# Altium PCB 电源_1.PcbDoc
Units mm, origin at the board's own origin, x right, y up, seen from the top; angles counter-clockwise.
Board outline 152.4 x 101.6 mm, 2 copper layers (Top Layer, Bottom Layer); 23 components, 11 nets, 58 pads, 0 vias.
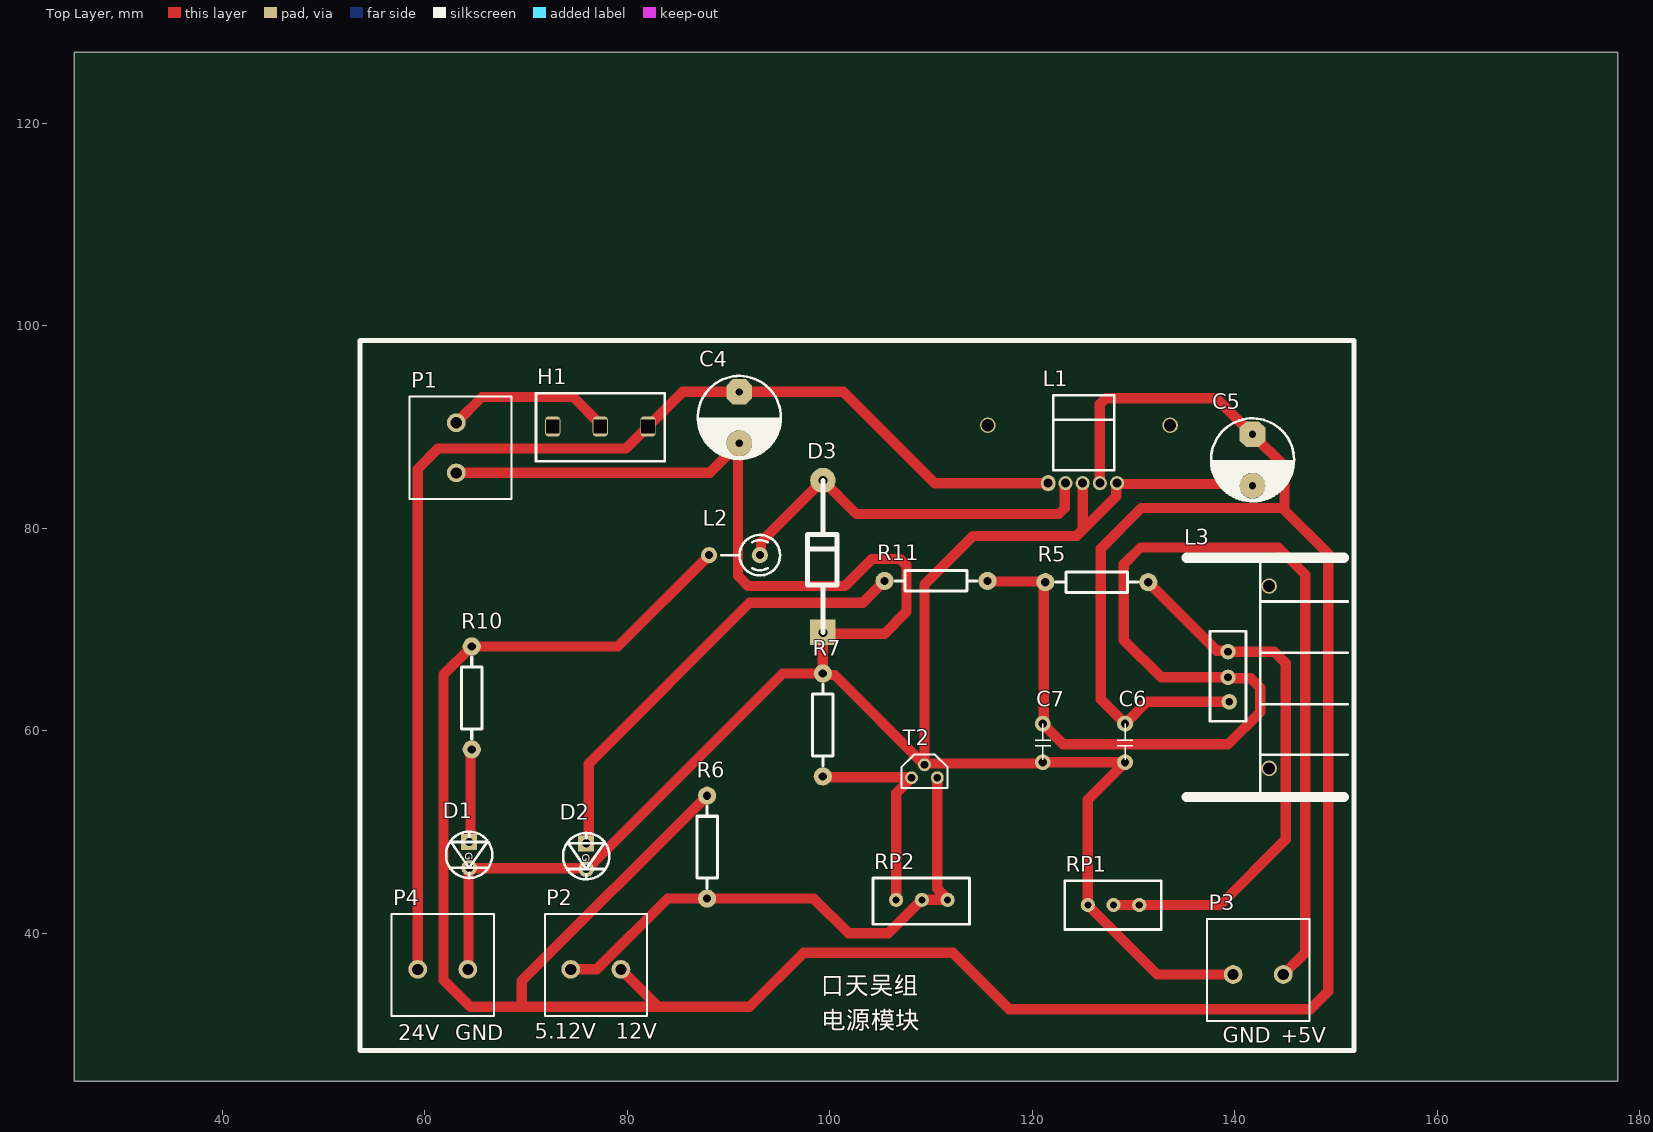
[diagram p0: Top Layer view]
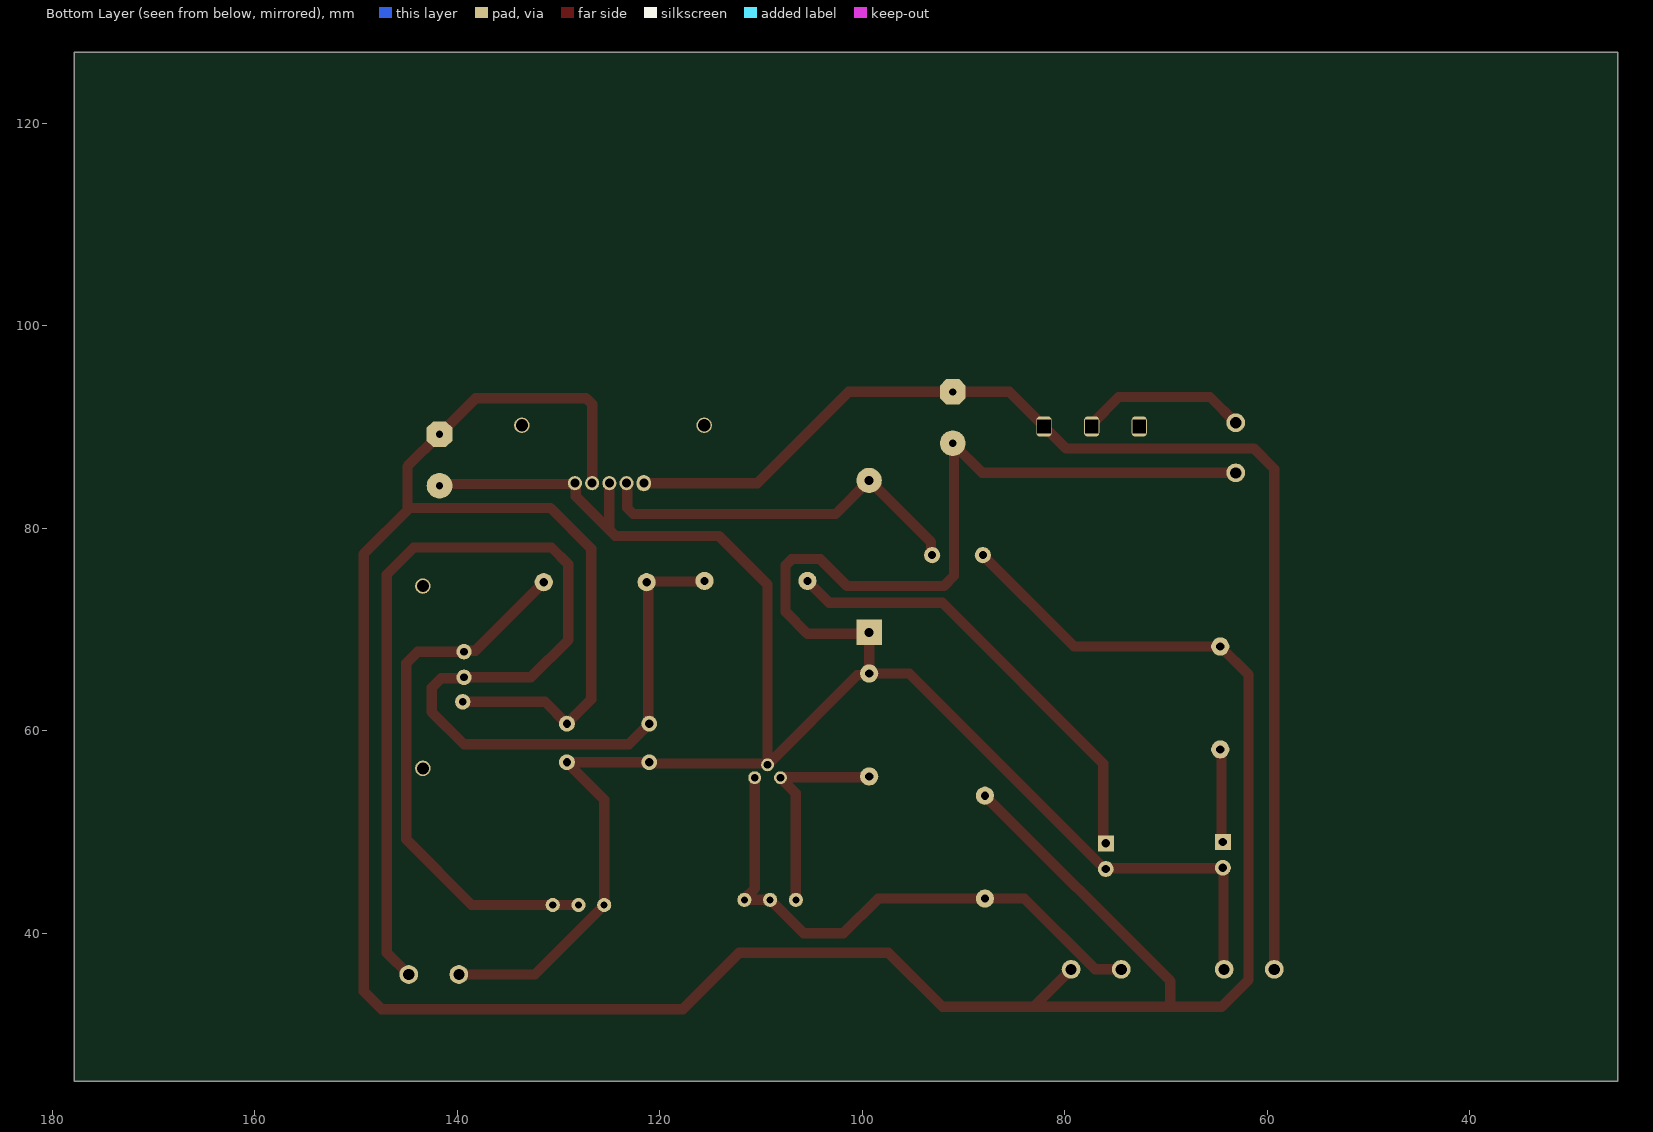
[diagram p1: Bottom Layer view, seen from below]
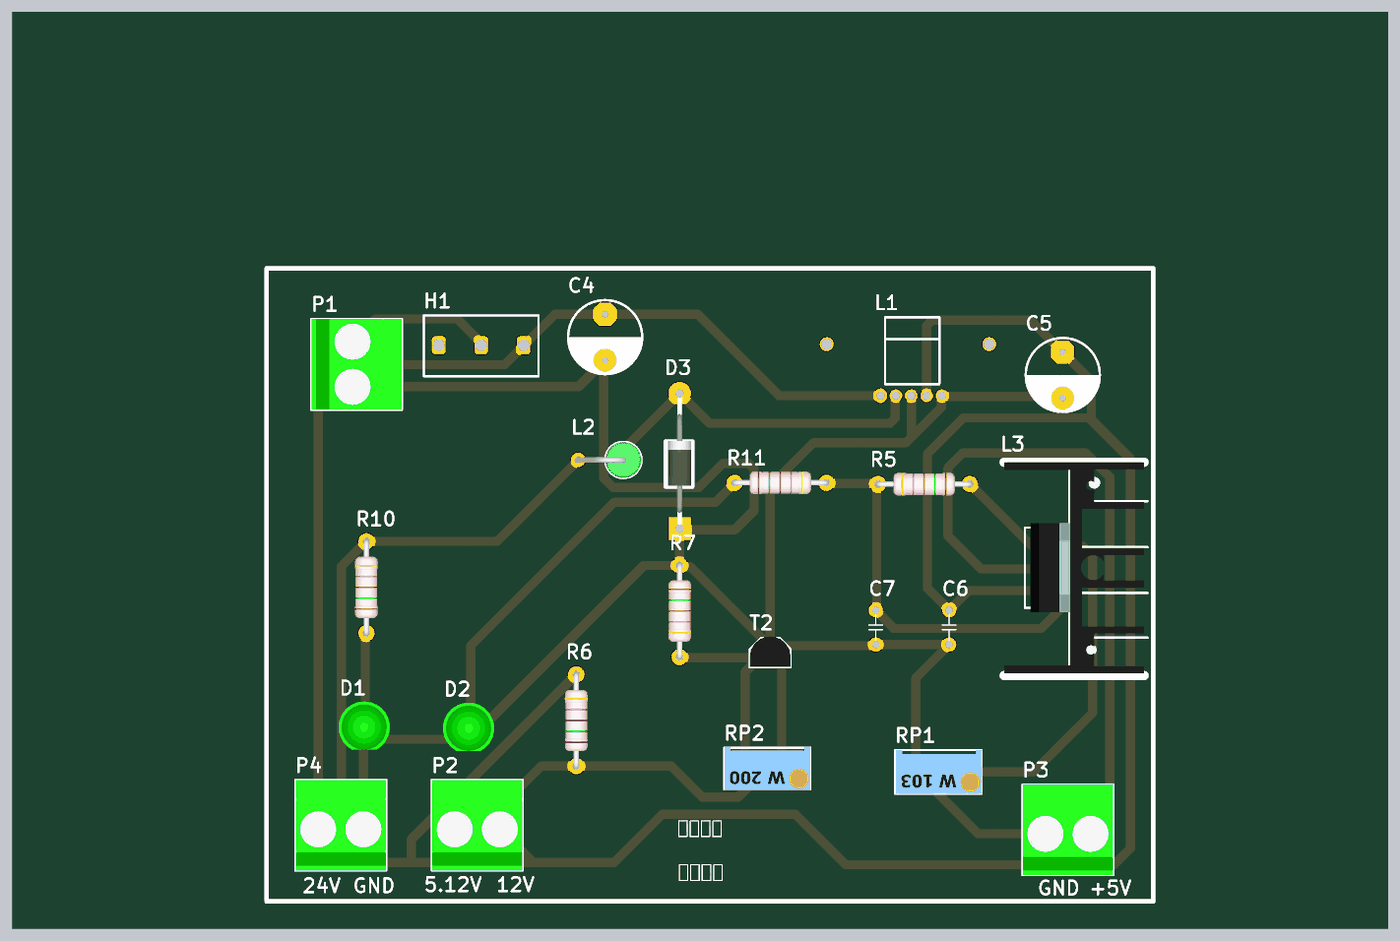
[diagram p2: 3D render of the assembled board from above, using the file's embedded part models]

## Layer stack, top to bottom
Top Solder: solder mask 0.0102, Solder Resist, Dk 3.5
Top Layer: signal copper 0.0356
Dielectric 1: dielectric 0.32, FR-4, Dk 4.8
Bottom Layer: signal copper 0.0356
Bottom Solder: solder mask 0.0102, Solder Resist, Dk 3.5

## Board outline
25.4,25.4 177.8,25.4 177.8,127 25.4,127

## Design rules (kind name [scope] priority, off if disabled: settings)
Clearance [All] p1: gap=0.254 ignorepadtopadclearanceinfootprint=FALSE except(0: Arc-Hole Track-Hole SMDPad-Hole THPad-Hole Via-Hole Fill-Hole Poly-Hole Region-Hole Text-Hole)
DiffPairsRouting [All] p1: maxlimit=0.254 minlimit=0.254 mostfreqgap=0.254 toplayer_minwidth=0.381 toplayer_maxwidth=1.27 toplayer_prefwidth=0.635 bottomlayer_minwidth=0.381 bottomlayer_maxwidth=1.27 bottomlayer_prefwidth=0.635 maxuncoupledlength=12.7
PolygonConnect [All] p1: connectstyle=Relief reliefconductorwidth=0.254 reliefentries=4 polygonreliefangle="90 Angle" airgapwidth=0.254
RoutingLayers [All] p1: top layer_v5=TRUE bottom layer_v5=FALSE
RoutingVias [All] p1: holewidth=0.711 width=1.27 viastyle="Through Hole" minholewidth=0.711 minwidth=1.27 maxholewidth=0.711 maxwidth=1.27
SolderMaskExpansion [All] p1: expansion=0.102 istentingtop=FALSE
Width [All] p1: maxlimit=1.016 minlimit=0.635 preferedwidth=1.016 minimp=50.000000 maximp=50.000000 favimp=50.000000
28 further rules are at their usual default settings.

## Classes and differential pairs
component class 电源: C4 C5 C6 C7 D1 D2 D3 L1 L2 L3 P3 R5 R6 R7 R10 R11 RP1 RP2 T2

## Components (designator, comment, footprint, x,y, rotation, side; value= is the part's Value field where it differs from the comment)
C4 "470μF" 电解电容_大 91.059,90.932 r0 top
C5 "220uF" 电解电容_大 141.732,86.741 r0 top
C6 "0.1μF" 电容_瓷片 129.159,58.801 r90 top
C7 "1μF" 电容_瓷片 121.031,58.801 r90 top
D1 "LED" LED_G 64.389,47.752 r270 top
D2 "LED" LED_G 75.946,47.625 r270 top
D3 "IN5824" 二极管_整流 102.362,76.073 r90 top
H1 "滑动开关" 滑动开关 77.216,89.789 r0 top
L1 "LM2596" LM2596 122.457,98.679 r0 top
L2 "47μH" AL0410_V 93.091,77.343 r180 top
L3 "LM317_Adj" 7805散热器 139.319,67.818 r270 top
P1 "电源端子2P" "端子 - duplicate" 63.119,90.424 r0 top
P2 "电源端子2P" "端子 - duplicate" 74.422,36.449 r90 top
P3 "电源端子2P" "端子 - duplicate" 139.827,35.941 r90 top
P4 "电源端子2P" "端子 - duplicate" 59.309,36.449 r90 top
R5 "200" 1/4WA1 121.285,74.676 r0 top value=10K
R6 "1k" 1/4WA1 87.884,53.594 r270 top value=10K
R7 "2k" 1/4WA1 99.314,55.499 r90 top value=10K
R10 "500" 1/4WA1 64.643,68.326 r270 top value=10K
R11 "200" 1/4WA1 115.57,74.803 r180 top value=10K
RP1 "1K" 3296-103 130.556,42.799 r180 top value=10K
RP2 "1k" 3296-200 111.633,43.307 r180 top value=10K
T2 "TL431" TL431 108.077,55.372 r0 top

## Footprints (in the part's own frame and the unit in brackets; to place one, negate y for a bottom-side part, rotate by r counter-clockwise, add the part's x,y. Pads: shape width x height; smd on the part's side, far side on the other; paste and mask are expansions set on the pad)
1/4WA1 [mm]
  round 1.8 hole 0.813: 1(0,0) 2(10.16,0)
  silkscreen extent 1.02,-1.02 9.14,1.02, body extent -0.27,-1.28 10.49,1.24, height 2
3296-103 [mm]
  round 1.4 hole 0.7: 1(0,0) 2(5.08,0) 3(2.54,0)
  silkscreen extent -2.16,-2.41 7.37,2.41, body extent -2.22,-2.41 7.3,2.41, height 11.73
3296-200 [mm]
  round 1.4 hole 0.7: 1(0,0) 2(5.08,0) 3(2.54,0)
  silkscreen extent -2.16,-2.16 7.37,2.41, body extent -2.17,-2.29 7.36,2.54, height 11.73
7805散热器 [mil]
  round 60 hole 30: 1(0,0) 2(100,0) 3(195,5)
  silkscreen extent -365,-160 565,465, body extent -366,-160 556,450, height 976
AL0410_V [mm] "5*4*10.5mm（脚距，直径，长度）"
  round 1.6 hole 0.8: 1(0,0) 2(5,0)
  silkscreen extent -2,-2 3.81,2, body extent -2.01,-2.01 5.32,2.01, height 12.39
LED_G [mil] "绿色发光二极管"
  rect 62x62 hole 32: 1(-50,0)
  round 62 hole 32: 2(50,0)
  silkscreen extent -90,-90 90,90, body extent -112,-112 98,112, height 339
LM2596 [mm]
  oval 1.4x1.6 hole 0.89: 1(-0.889,-14.224)
  round 1.4 hole 0.89: 2(0.811,-14.224) 3(2.511,-14.224) 4(4.211,-14.224) 5(5.911,-14.224)
  silkscreen extent -0.38,-12.95 5.62,-5.54
TL431 [mil] "7805/7809/LP2950电源芯片（已加焊）"
  round 50 hole 30: A(50,50) K(100,0) R(0,0)
  silkscreen extent -40,-40 140,90, body extent -39,-38 139,96, height 298
二极管_整流 [mm] "整流二极管"
  rect 2.5x2.5 hole 0.9: 1(-6.35,3.048)
  round 2.5 hole 0.9: 2(8.65,3.048)
  silkscreen extent -6.35,1.65 8.65,4.57, body extent -4.64,1.75 6.42,4.35, height 3.3
滑动开关 [mm] "SS12D10"
  rrect50% 1.5x2 hole 1.3 square: 1(0.127,0.254) 2(-4.573,0.254) 3(4.827,0.254)
  silkscreen extent -6.22,-3.17 6.48,3.55
电容_瓷片 [mil] "电容"
  round 62 hole 32: 1(-75,0) 2(75,0)
  silkscreen extent -65,-30 75,30
电解电容_大 [mm] "电解电容"
  oct 2.54x2.54 hole 0.7: 1(0,2.54)
  round 2.54 hole 0.7: 2(0,-2.54)
  silkscreen extent -4.08,-4.09 4.11,4.11
"端子 - duplicate" [mm] "2"
  round 1.85 hole 1.1: 1(0,0) 2(0,-4.953)
  silkscreen extent -4.6,-7.54 5.46,2.57, body extent -4.56,-7.49 5.44,2.51, height 14.45

## Part data
C4 C5: library part 电解电容_大, "电解电容"
C6 C7: library part 电容_瓷片, "瓷片电容"
D1 D2: "发光二极管", Package Description=DIODE0.4及DIODE0.7, Component Link1Description=元件数据连接1，一般是生产厂商的元件描述连接。, Component Link 1URL=元件厂商的网站连接1，通常是主页地址，如http://www.st.com/, Component Link 2URL=元件厂商的网站连接2，通常是元件数据说明文件地址，如http://www.fairchildsemi.com/ds/2N%2F2N3904.pdf, ComponentLink2  Description=元件数据连接2，一般是生产厂商的元件数据库连接。, Created=制造厂商, Datasheet Version=Apr-2016, Kind=General, Latest Revision Date=13-Apr-2016, Latest Revision Note=最近的应用笔记修订本, Object=Diode, Published=13-Apr-2016, Publisher="Altium Limited", Spice Prefix=D, SubKind=Diode, Type=Diode
D3: library part 二极管_整流, "整流二极管"
L2: library part Inductor4, Package Description=封装描述, Component Link1Description=元件数据连接1，一般是生产厂商的元件描述连接。, Component Link 1URL=元件厂商的网站连接1，通常是主页地址，如http://www.st.com/, Component Link 2URL=元件厂商的网站连接2，通常是元件数据说明文件地址，如http://www.fairchildsemi.com/ds/2N%2F2N3904.pdf, ComponentLink2  Description=元件数据连接2，一般是生产厂商的元件数据库连接。, Created=制造厂商, Datasheet Version=Apr-2016, Kind=General, Latest Revision Date=13-Apr-2016, Latest Revision Note=最近的应用笔记修订本, LatestRevisionDate=13-Apr-2016, LatestRevisionNote="Re-released for DXP Platform.", Object=Inductor, PackageReference=425, Published=13-Apr-2016, Publisher="Altium Limited", Spice Prefix=L, SubKind=Inductor
L3: library part LM317, "可调直流稳压芯片"
P1 P2 P3 P4: "电源端子", =电源端子2P
R5 R6 R7 R10 R11: library part Res_3, "1/4W电阻器", Package Description=AXIAL0.3-AXIA1.0, Package Reference=AXIAL, Component Link1Description=元件数据连接1，一般是生产厂商的元件描述连接。, Component Link 1URL=元件厂商的网站连接1，通常是主页地址，如http://www.st.com/, Component Link 2URL=元件厂商的网站连接2，通常是元件数据说明文件地址，如http://www.fairchildsemi.com/ds/2N%2F2N3904.pdf, ComponentLink2  Description=元件数据连接2，一般是生产厂商的元件数据库连接。, Created=制造厂商, Datasheet Version=Apr-2016, Kind=General, Latest Revision Date=13-Apr-2016, Latest Revision Note=最近的应用笔记修订本, LatestRevisionDate=13-Apr-2016, Object=Resistor, PackageVersion=Apr-2016, Published=13-Apr-2016, Publisher="Altium Limited", Spice Prefix=R, SubKind=Resistor, Type=Resistor
RP1 RP2: library part RESVR, "滑动触点电位器", Package Description=AXIAL0.3-AXIA1.0, Package Reference=AXIAL, Component Link1Description=元件数据连接1，一般是生产厂商的元件描述连接。, Component Link 1URL=元件厂商的网站连接1，通常是主页地址，如http://www.st.com/, Component Link 2URL=元件厂商的网站连接2，通常是元件数据说明文件地址，如http://www.fairchildsemi.com/ds/2N%2F2N3904.pdf, ComponentLink2  Description=元件数据连接2，一般是生产厂商的元件数据库连接。, Created=制造厂商, Datasheet Version=Apr-2016, Kind=General, Latest Revision Date=13-Apr-2016, Latest Revision Note=最近的应用笔记修订本, LatestRevisionDate=13-Apr-2016, Object=Resistor, PackageVersion=Apr-2016, Published=13-Apr-2016, Publisher="Altium Limited", Spice Prefix=R, SubKind=Resistor, Type=Resistor

## Free pads (board coordinates)
  round 1.524 hole 1.2: 3(115.604,90.17) 3(133.604,90.17) 3(143.383,74.295) 4(143.383,56.295)

## Nets (pads, with @x,y where several pads share a name; then routed paths per layer and width w, separated by ;. In a path a pad name is that pad's centre, name@x,y a point inside that pad or via, vN(x,y) a via of type N, cw(c..) or ccw(c..) an arc to the next point about the centre after c; other vN are vias at no path point)
+5.12v: P2.1 R6.2 RP2.1 RP2.3 T2.K | length 55.5
  Top Layer w1.016: P2.1@74.344,36.117 P2.1@74.422,36.195 ; P2.1 76.989,36.449 83.974,43.434 R6.2 98.425,43.434 101.854,40.005 105.791,40.005 RP2.3 RP2.1 111.633,43.411 110.617,44.427 T2.K
+5v: C7.2 L3.2 P3.2 R5.1 R11.1 | length 128.9
  Top Layer w1.016: R11.1 115.633,74.739 121.221,74.739 R5.1 121.138,74.529 121.138,60.813 C7.2 123.063,58.674 139.319,58.674 142.494,61.849 142.494,64.262 141.575,65.181 139.416,65.181 L3.2 132.715,65.278 129.032,68.961 129.032,76.454 130.683,78.105 144.272,78.105 146.939,75.438 146.939,40.767 146.939,38.1 P3.2
+12v: C5.1 C6.2 L1.4 L2.2 L3.3 P2.2 R6.1 R10.1 | length 320.5
  Top Layer w1.016: P2.2 83.058,32.766 ; R6.1 69.596,35.306 69.596,32.766 ; L2.2 79.074,68.326 R10.1 61.849,65.532 61.849,35.433 64.516,32.766 69.596,32.766 ; L1.4 126.668,92.242 127.263,92.837 138.176,92.837 C5.1 144.907,86.106 144.907,82.002 130.77,82.002 126.746,77.978 126.746,63.119 C6.2 131.318,62.865 L3.3 ; 144.8,81.895 149.225,77.47 149.225,34.29 147.447,32.512 117.729,32.512 112.141,38.1 97.409,38.1 92.075,32.766 83.058,32.766 ; 69.596,32.766 83.058,32.766
+24v: C4.1 H1.3 L1.1 P4.1 | length 118
  Top Layer w1.016: P4.1 59.309,85.852 61.341,87.884 79.884,87.884 81.551,89.551 81.801,89.551 82.043,89.793 H1.3 ; H1.3@82.535,90.535 85.472,93.472 C4.1 101.346,93.472 110.363,84.455 L1.1
GND: C4.2 C5.2 C6.1 C7.1 D1.2 D2.2 D3.1 L1.3 L1.5 P1.2 P3.1 P4.2 R7.2 RP1.2 T2.A | length 257.4
  Top Layer w1.016: P1.2 88.138,85.471 C4.2@90.932,88.265 ; P4.2 64.325,36.512 64.325,46.419 D1.2 64.453,46.419 75.882,46.419 D2.2 76.058,46.355 95.362,65.659 R7.2 ; C4.2@90.647,88.392 C4.2 C4.2@90.932,88.265 ; 110.038,56.769 120.753,56.769 120.88,56.896 C7.1 C6.1 125.476,53.213 RP1.2 132.334,35.941 P3.1 ; L1.3 124.968,79.843 ; C5.2 141.551,84.382 128.442,84.382 L1.5 128.295,84.382 128.295,83.17 124.968,79.843 ; C4.2@90.932,88.265 90.932,75.311 91.948,74.295 101.473,74.295 104.14,76.962 106.974,76.962 107.569,76.367 107.569,71.755 105.41,69.596 99.441,69.596 D3.1 R7.2 ; R7.2 99.464,65.509 100.48,65.509 T2.A 109.347,74.422 114.173,79.248 124.373,79.248 124.968,79.843
NetD1_1: D1.1 R10.2 | length 9.2
  Top Layer w1.016: D1.1 64.516,49.149 64.516,58.039 R10.2
NetD2_1: D2.1 R11.2 | length 44.7
  Top Layer w1.016: D2.1 76.2,49.149 76.2,56.769 92.075,72.644 103.251,72.644 R11.2
NetD3_2: D3.2 L1.2 L2.1 | length 37.9
  Top Layer w1.016: L2.1 93.203,77.455 93.203,78.612 D3.2 102.63,81.407 122.599,81.407 123.195,82.002 123.195,84.382 L1.2
NetH1_1: H1.1 P1.1 | length 16.9
  Top Layer w1.016: P1.1 65.659,92.964 74.672,92.964 77.343,90.293 H1.1 H1.1@77.343,89.793
NetL3_1: L3.1 R5.2 RP1.1 RP1.3 | length 54
  Top Layer w1.016: RP1.3 RP1.1 138.557,42.799 145.034,49.276 145.034,66.675 143.891,67.818 L3.1 139.222,67.915 138.206,67.915 R5.2
NetR7_1: R7.1 RP2.2 T2.R | length 21.5
  Top Layer w1.016: R7.1 99.392,55.421 108.028,55.421 T2.R 108.077,55.367 106.553,53.843 RP2.2
pads on no net: H1.2

## Silkscreen, mask and mechanical layers (free items; w line width, h text height)
Top Overlay:
  lines w0.5: 53.594,28.448 151.765,28.448 151.765,98.448 ; 53.594,28.552 53.594,98.552 151.765,98.552
  text "口天吴组" at 99.06,33.401 h3
  text "电源模块" at 99.187,29.972 h3
  text "5.12V" at 70.866,29.591 h1.52
  text "12V" at 78.867,29.591 h1.52
  text "24V" at 57.404,29.464 h1.52
  text "GND" at 62.992,29.464 h1.52
  text "GND" at 138.811,29.21 h1.52
  text "+5V" at 144.526,29.21 h1.52

## Text inside footprints (layer, text, board x,y; h text height)
D1: Top Overlay "G" at 64.008,48.006 h0.76 r270
D2: Top Overlay "G" at 75.565,47.879 h0.76 r270